# Allegro board T736_DEMO_CORE_AXP8191_LP4_4X_32X1_V0_5-draft.brd (continued)
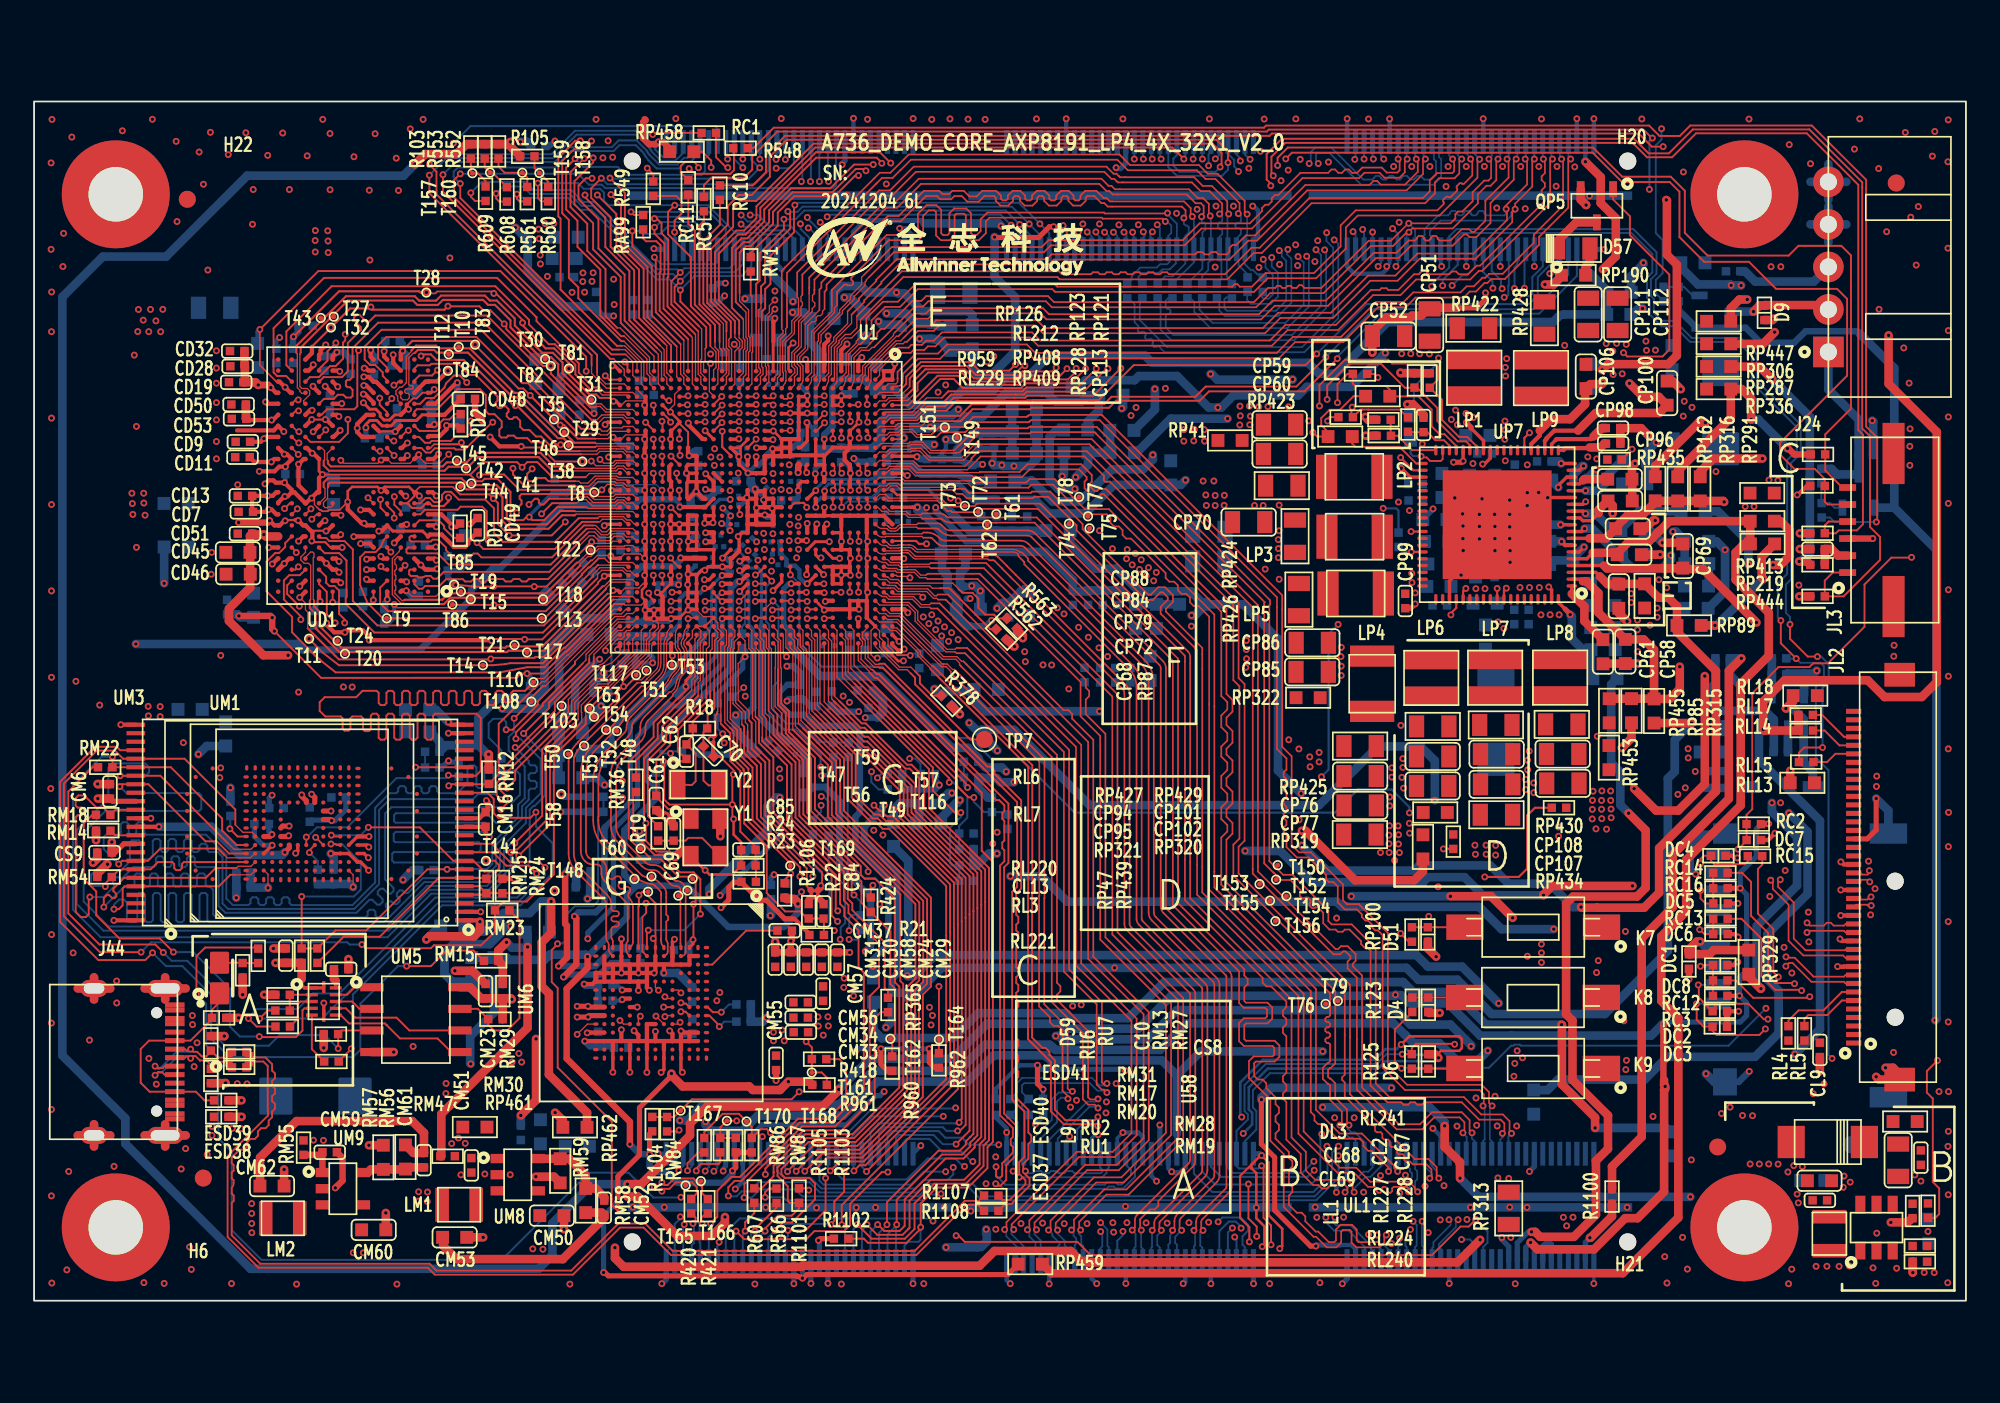
[diagram p0: board, top side]
## Nets (continued)
PMU-PWRON: J48.105(P105) R959.2 RP100.2 RP128.1
PMU-SCK: J48.4(P4) RP121.1 U1.U32(PL0/S-TWI0-SCK/S-TWI1-SCK/S-TWI) UP7.32(SCK)
PMU-SDA: J48.6(P6) RP123.1 U1.U33(PL1/S-TWI0-SDA/S-TWI1-SDA/S-TWI) UP7.33(SDA)
PMU-WKUP: RL229.2 UP7.39(GPIO3)
PS: CM50.1 CM60.1 CP49.2 CP50.2 CP53.1 CP56.1 CP57.2 CP64.2 CP66.2 CP67.2 CP73.2 CP75.2 CP82.2 CP83.2 CP89.2 CP91.2 CP97.2 CP99.2 CP103.2 CP104.2 CP109.2 CP110.2 D58.1 RP190.1 RP410.1 RP412.1 UM8.4(IN) UM9.4(IN) UP7.27(VIN9) UP7.28(VIN1) UP7.44(VIN2#44) UP7.45(VIN2#45) UP7.46(VIN3) UP7.55(VIN5) UP7.56(VIN4#56) UP7.57(VIN4#57) UP7.64(VIN6) UP7.65(VIN7) UP7.70(VIN8) UP7.71(PS#71) UP7.72(PS#72) UP7.75(ALDO1/5/6_IN)
RTC-VIO: C40.1 U1.V26(RTC-VIO)
S-RJTAG-CK: R1106.1 RW85.1 T169.1(TP) U1.Y32(PM1/S-JTAG-CK/S-SPI0-CLK/S-RJTA)
S-RJTAG-DI: R1105.1 RW87.1 T170.1(TP) U1.V30(PM3/S-JTAG-DI/S-SPI0-MISO/S-UAR)
S-RJTAG-DO: R1103.1 RW86.1 T168.1(TP) U1.V31(PM2/S-JTAG-DO/S-SPI0-MOSI/S-UAR)
S-RJTAG-MS: R1104.1 RW84.1 T167.1(TP) U1.Y31(PM0/S-JTAG-MS/S-SPI0-CS0/S-RJTA)
SCA0-A: U1.AH20(SCA5-A) UD1.H2(CA0_A)
SCA0-B: U1.AM15(SCA0-B) UD1.R2(CA0_B)
SCA1-A: U1.AL19(SCA2-A) UD1.J2(CA1_A)
SCA1-B: U1.AF16(SCA1-B) UD1.P2(CA1_B)
SCA2-A: U1.AJ20(SCA4-A) UD1.H9(CA2_A)
SCA2-B: U1.AF14(SCA2-B) UD1.R9(CA2_B)
SCA3-A: U1.AM19(SCA3-A) UD1.H10(CA3_A)
SCA3-B: T34.1(TP) U1.AJ12(SCA3-B) UD1.R10(CA3_B)
SCA4-A: U1.AH18(SCA1-A) UD1.H11(CA4_A)
SCA4-B: U1.AM12(SCA4-B) UD1.R11(CA4_B)
SCA5-A: T33.1(TP) U1.AJ18(SCA0-A) UD1.J11(CA5_A)
SCA5-B: U1.AL12(SCA5-B) UD1.P11(CA5_B)
SCKE0-A: U1.AF18(SCKE0-A) UD1.J4(CKE0_A)
SCKE0-B: U1.AH14(SCKE0-B) UD1.P4(CKE0_B)
SCKE1-A: U1.AM17(SCKE1-A) UD1.J5(CKE1_A)
SCKE1-B: U1.AJ14(SCKE1-B) UD1.P5(CKE1_B)
SCKN-A: T41.1(TP) U1.AL18(SCKN-A) UD1.J9(CK_C_A)
SCKN-B: T42.1(TP) U1.AM13(SCKN-B) UD1.P9(CK_C_B)
SCKP-A: T44.1(TP) U1.AM18(SCKP-A) UD1.J8(CK_T_A)
SCKP-B: T45.1(TP) U1.AL13(SCKP-B) UD1.P8(CK_T_B)
SCS0-A: T36.1(TP) U1.AL17(SCS0-A) UD1.H4(CS0_A)
SCS0-B: T37.1(TP) U1.AM14(SCS0-B) UD1.R4(CS0_B)
SCS1-A: T39.1(TP) U1.AM16(SCS1-A) UD1.H3(CS1_A)
SCS1-B: T40.1(TP) U1.AL14(SCS1-B) UD1.R3(CS1_B)
SDC0-CLK: RC1.2 RC13.1
SDC0-CMD: RC12.1 U1.AB7(PF1/SDC0-CMD/JTAG-DO/TRACE-DATA)
SDC0-D0: RC14.1 U1.AB5(PF3/SDC0-D0/JTAG-DI/TRACE-DATA0)
SDC0-D1: RC15.1 U1.AB8(PF0/SDC0-D1/JTAG-MS/TRACE-DATA3)
SDC0-D2: RC10.1 U1.AA2(PF5/SDC0-D2/JTAG-CK/TRACE-DATA1)
SDC0-D3: RC11.1 U1.AB3(PF4/SDC0-D3/UART0-RX/UART5-RX/P)
SDC0-DET: RC5.1 U1.AA1(PF6/PF-EINT6)
SDQ0: U1.AL25(SDQ0) UD1.F9(DQ12_A)
SDQ1: U1.AM25(SDQ1) UD1.E9(DQ13_A)
SDQ2: U1.AH24(SDQ2) UD1.C9(DQ14_A)
SDQ3: U1.AJ24(SDQ3) UD1.B9(DQ15_A)
SDQ4: U1.AH26(SDQ4) UD1.C11(DQ9_A)
SDQ5: U1.AM28(SDQ5) UD1.F11(DQ11_A)
SDQ6: U1.AF24(SDQ6) UD1.B11(DQ8_A)
SDQ7: T11.1(TP) T14.1(TP) U1.AL28(SDQ7) UD1.E11(DQ10_A)
SDQ8: U1.AM21(SDQ8) UD1.B2(DQ0_A)
SDQ9: U1.AL20(SDQ9) UD1.F2(DQ3_A)
SDQ10: U1.AL21(SDQ10) UD1.C2(DQ1_A)
SDQ11: U1.AM20(SDQ11) UD1.E2(DQ2_A)
SDQ12: U1.AF22(SDQ12) UD1.E4(DQ5_A)
SDQ13: T9.1(TP) T13.1(TP) U1.AM24(SDQ13) UD1.F4(DQ4_A)
SDQ14: U1.AJ22(SDQ14) UD1.C4(DQ6_A)
SDQ15: U1.AL24(SDQ15) UD1.B4(DQ7_A)
SDQ16: U1.AH12(SDQ16) UD1.V2(DQ2_B)
SDQ17: U1.AL11(SDQ17) UD1.AA2(DQ0_B)
SDQ18: U1.AJ10(SDQ18) UD1.V4(DQ5_B)
SDQ19: U1.AM11(SDQ19) UD1.U2(DQ3_B)
SDQ20: U1.AM8(SDQ20) UD1.AA4(DQ7_B)
SDQ21: U1.AL8(SDQ21) UD1.Y4(DQ6_B)
SDQ22: U1.AH10(SDQ22) UD1.Y2(DQ1_B)
SDQ23: T23.1(TP) T25.1(TP) U1.AJ8(SDQ23) UD1.U4(DQ4_B)
SDQ24: U1.AH8(SDQ24) UD1.V11(DQ10_B)
SDQ25: U1.AM7(SDQ25) UD1.V9(DQ13_B)
SDQ26: U1.AL7(SDQ26) UD1.Y9(DQ14_B)
SDQ27: U1.AF10(SDQ27) UD1.AA9(DQ15_B)
SDQ28: U1.AF8(SDQ28) UD1.U9(DQ12_B)
SDQ29: U1.AM4(SDQ29) UD1.AA11(DQ8_B)
SDQ30: T16.1(TP) T26.1(TP) U1.AH6(SDQ30) UD1.U11(DQ11_B)
SDQ31: U1.AL4(SDQ31) UD1.Y11(DQ9_B)
SDQM0: U1.AJ26(SDQM0) UD1.C10(DM1_A)
SDQM1: U1.AH22(SDQM1) UD1.C3(DM0_A)
SDQM2: U1.AF12(SDQM2) UD1.Y3(DM0_B)
SDQM3: U1.AJ6(SDQM3) UD1.Y10(DM1_B)
SDQS0N: T17.1(TP) T20.1(TP) U1.AM26(SDQS0N) UD1.E10(DQS1N_A)
SDQS0P: T21.1(TP) T24.1(TP) U1.AL26(SDQS0P) UD1.D10(DQS1P_A)
SDQS1N: T15.1(TP) T18.1(TP) U1.AM22(SDQS1N) UD1.E3(DQS0N_A)
SDQS1P: T19.1(TP) T22.1(TP) U1.AL22(SDQS1P) UD1.D3(DQS0P_A)
SDQS2N: T10.1(TP) T29.1(TP) U1.AL10(SDQS2N) UD1.V3(DQS0N_B)
SDQS2P: T12.1(TP) T46.1(TP) U1.AM10(SDQS2P) UD1.W3(DQS0P_B)
SDQS3N: T27.1(TP) T30.1(TP) U1.AM6(SDQS3N) UD1.V10(DQS1N_B)
SDQS3P: T31.1(TP) T43.1(TP) U1.AL6(SDQS3P) UD1.W10(DQS1P_B)
SPI0-CLK: RM18.1 U58.4(A3)
SPI0-CS0: RM17.1 RM31.1 U58.2(A1)
SPI0-HOLD: RM23.1 RM30.1 UM5.7(HOLD#)
SPI0-MISO: RM20.1 U58.3(A2)
SPI0-MOSI: RM19.1 U58.5(A4)
SPI0-NAND-CLK: U58.8(B3) UM5.6(CLK)
SPI0-NAND-CS0: U58.10(B1) UM5.1(CS#)
SPI0-NAND-MISO: U58.9(B2) UM5.2(MISO)
SPI0-NAND-MOSI: U58.7(B4) UM5.5(MOSI)
SPI0-WP: RM22.1 RM28.1 UM5.3(WP#)
SRST: U1.AL15(SRST) UD1.T11(RESET-N)
SWOUT1: CP55.1 RP287.1 RP305.1 RP306.1 RP307.1 RP308.1 RP335.1 RP336.1 RP337.1 RP338.1 RP339.1 RP447.1 UP7.34(SW1)
SWOUT2: CP54.1 RP235.1 RP313.1 RP333.1 RP334.1 UP7.30(SW2)
UFS-CLK-AP: T117.1(TP) U1.AJ33(UFS-REFP)
UFS-CLK-DV: RM36.2 T118.1(TP) UM6.H1(REF_CLK)
UFS-REXT: RM3.2 U1.AD30(UFS-REXT)
UFS-RST-N: RM37.1 RM38.1 RM41.2 T120.1(TP) U1.AF29(UFS-RST-N) UM6.H2(RST_N)
UFS-RX0-N: T48.1(TP) U1.AG32(UFS-RX0-N) UM6.K1(DOUT0_N)
UFS-RX0-P: T52.1(TP) U1.AG31(UFS-RX0-P) UM6.K2(DOUT0_P)
UFS-RX1-N: T55.1(TP) U1.AH32(UFS-RX1-N) UM6.M1(DOUT1_N)
UFS-RX1-P: T50.1(TP) U1.AH31(UFS-RX1-P) UM6.M2(DOUT1_P)
UFS-TX0-N: T59.1(TP) U1.AF32(UFS-TX0-N) UM6.F2(DIN0_N)
UFS-TX0-P: T47.1(TP) U1.AF31(UFS-TX0-P) UM6.F1(DIN0_P)
UFS-TX1-N: T116.1(TP) U1.AE32(UFS-TX1-N) UM6.D2(DIN1_N)
UFS-TX1-P: T49.1(TP) U1.AE31(UFS-TX1-P) UM6.D1(DIN1_P)
UFS-VCCQ: CM24.1 CM29.1 CM30.1 CM31.1 CM57.1 CM58.1 RM52.2 UM6.A4(VCCQ_0) UM6.A5(VCCQ_1) UM6.B4(VCCQ_2) UM6.B5(VCCQ_3) UM6.C4(VCCQ_4) UM6.C5(VCCQ_5) UM6.E5(VCCQ_6) UM6.F5(VCCQ_7)
UFS-VCCQ2: CM32.1 CM33.1 CM34.1 CM54.1 CM55.1 CM56.1 RM46.2 RP462.2 UM6.A6(VCCQ2-0) UM6.A7(VCCQ2-1) UM6.B6(VCCQ2-2) UM6.B7(VCCQ2-3) UM6.C6(VCCQ2-4) UM6.C7(VCCQ2-5) UM6.K6(VCCQ2-6) UM6.K7(VCCQ2-7)
USB0-DM: J48.85(P85) R1107.1 U1.D31(USB0-DM)
USB0-DM-C: L9.3 R1107.2 RU2.1
USB0-DP: J48.83(P83) R1108.1 U1.D32(USB0-DP)
USB0-DP-C: L9.4 R1108.2 RU1.1
USB0-ID: R1101.2 RU7.2
USB0-REXT: R20.2 U1.F26(USB0-REXT)
USB0-VBUSDET: J48.13(P13) RP365.2
USB1-DM: J48.89(P89) U1.E33(USB1-DM)
USB1-DP: J48.91(P91) U1.E32(USB1-DP)
USB1-REXT: R378.2 U1.C32(USB1-REXT)
USB2-DM: J48.77(P77) U1.A31(USB2-DM)
USB2-DP: J48.79(P79) U1.B31(USB2-DP)
USB2-REXT: R379.2 U1.B32(USB2-REXT)
USB-UPGRADE-COMBO1-SEL-ADC: R12.2 R13.2 U1.G33(GPADC0-3)
USBVBUS: D60.1 ESD38.2(CATHODE) J44.A4(VBUS1) J44.A9(VBUS2) J44.B4(VBUS3) J44.B9(VBUS4)
VLED0+: CL2.2 CL67.2 DL3.2 RL241.1 UL1.5(VOUT)
VLED0-: RL224.1 RL225.1 RL240.2 RL242.1
VPS0: RM14.1 UM3.38(VSS3)
VPS1: RM15.1 UM3.28(NC13)
VREF: CP105.2 UP7.15(VREF)
WL-REG-ON: J48.11(P11) U1.V32(PM4/S-UART0-TX/S-TWI2-SCK/S-TWI)
WL-SDIO-CLK: J47.62(P62) RW1.2
WL-SDIO-CMD: J47.64(P64) U1.V2(PG1/SDC1-CMD/LCD0-D1/PWM1-2/LPC)
WL-SDIO-D0: J47.66(P66) U1.W1(PG2/SDC1-D0/LCD0-D8/PWM1-3/LPC-)
WL-SDIO-D1: J47.68(P68) U1.W3(PG3/SDC1-D1/LCD0-D9/PWM1-4/LPC-)
WL-SDIO-D2: J47.70(P70) U1.V6(PG4/SDC1-D2/LCD0-D16/PWM1-5/LPC)
WL-SDIO-D3: J47.72(P72) U1.V7(PG5/SDC1-D3/LCD0-D17/PWM1-6/LPC)
WL-WAKE-AP: J48.9(P9) RW87.2
WREQIN: J48.152(P152) R15.2 R17.2 U1.AB29(WREQIN)
X32KIN: C62.1 R18.1 U1.AB32(X32KIN) Y2.1
X32KOUT: C70.1 R18.2 U1.AB31(X32KOUT) Y2.2
N17467629: D4.2(CATHODE) K8.2 R123.2
N17471203: D6.2(CATHODE) K9.2 R125.2
N17526892: J24.3 R143.2
N17526894: D8.2(CATHODE) J24.1 Q6.3(D) R141.2 R142.1
N17526923: Q7.2(S) R144.2 R145.1
N17526934: D9.2(CATHODE) J24.2 Q7.3(D)
N17534062: Q6.2(S) R140.1 R141.1
N19247332: RD3.1 UD1.A5(ZQ0)
N19247333: RD4.1 UD1.A8(ZQ1)
N19247415: RD2.1 UD1.T2(ODT_CA_B)
N19247416: RD1.1 UD1.G2(ODT_CA_A)
N19259635: RM9.2 UM1.T5(RFU/VSS4)
N19259639: RM10.2 UM1.H6(RFU/VSS5)
N19391444: CL10.1 QL1.1(G) RL8.2 RL10.2
N19391480: CL11.2 CL12.2 DL1.1 QL1.3(D) RL9.1
N19391490: QL2.1(B) RL11.2 RL12.2
N19391591: QL2.3(C) RL10.1
N19391645: JL2.37(CABC_EN) RL17.1
N19391674: JL2.38(VLED0) JL2.39(VLED1) JL2.40(VLED2) RL18.2 RL241.2
N19391676: JL2.31(VFB1) JL2.32(VFB2) JL2.33(VFB3) RL13.2 RL242.2
N19391686: JL2.7(DATAEDID) RL4.2
N19391690: JL2.6(CLKEDID) RL5.2
N19391701: JL2.35(LED_PWM) RL15.1
N19391883: JL2.36(LED_EN) RL14.2
N20427024: RD5.1 U1.AH16(SZQ)
N20734199: T7.1(TP) U1.AJ16(SATO)
N20734202: T8.1(TP) U1.AL16(SDTO)
N21635434: CM37.1 UM6.A3(VDDIQ)
N21635440: CM39.1 UM6.A8(VDDIQ2)
N21636269: CM52.2 CM53.1 LM1.2 RM46.1 RM52.1 RM53.1 RM58.2
N21636295: CM52.1 RM58.1 RM59.2 UM8.5(FB)
N21636444: LM1.1 UM8.3(LX)
N21636500: CM51.2 RM47.2 UM8.1(EN)
N21637919: CM35.1 UM6.A9(VDDI)
N22736460: CP113.2 RP128.2 UP7.36(PWRON)
N22835073: CPU-PLL-TEST.1(TP) R71.1 U1.Y29(CPU-PLLTEST)
N22835075: PLL-TEST.1(TP) R70.1 U1.AB28(PLLTEST)
N22838900: C69.1 R19.2 Y1.3(XOUT)
N22841119: C3.2 R72.2 U1.H27(VREFP-ADC)
N22841132: C4.2 U1.K26(VCM-ADC)
N22841156: R1109.2 U1.K14(VCC-DCXO2) U1.M27(VCC-DCXO1)
N22844009: TP7.1(TP) U1.C33(USB1-ID)
N22846930: R562.2 U1.C25(COMB0-REF-CLKN)
N22846932: R563.2 U1.B25(COMB0-REF-CLKP)
N22847489: R430.2 U1.J16(AVDD-HPD-AUX)
N22856651: RM1.1 U1.AM30(PC5/NAND-RE/SDC2-CLK/SDC3-CLK/P)
N22863020: RC1.1 U1.AB6(PF2/SDC0-CLK/UART0-TX/TRACE-CLK)
N22863385: RW83.1 U1.Y4(PG11/I2S1-BCLK/TWI12-SCK/TWI9-S)
N22863401: RW1.1 U1.V3(PG0/SDC1-CLK/LCD0-D0/PWM1-1/LPC)
N22874737: R607.1 U1.R33(PL8/S-TWI1-SCK/S-UART1-TX/S-TWI)
N22874740: R566.1 U1.R32(PL9/S-TWI1-SDA/S-UART1-RX/S-TWI)
N22874917: RP391.1 U1.P30(PL12/S-UART1-TX/S-TWI1-SCK/S-TW)
N22875204: RP388.1 U1.P29(PL13/S-UART1-RX/S-TWI1-SDA/S-TW)
N23161063: DC5.2(CATHODE) JC1.7(DAT0) RC14.2 RC16.1
N23161069: DC4.2(CATHODE) JC1.8(DAT1) RC15.2
N23161083: DC3.2(CATHODE) JC1.1(DAT2) RC10.2
N23161095: DC2.2(CATHODE) JC1.2(DAT3) RC11.2
N23161107: DC8.2(CATHODE) JC1.3(CMD) RC3.1 RC12.2
N23161119: DC6.2(CATHODE) JC1.5(CLK) RC13.2
N23161229: DC7.2(CATHODE) JC1.9(CD#) RC2.1 RC5.2
N23273535: D51.2(CATHODE) K7.2 RP100.1
N23277389: D57.2(CATHODE) QP5.3(DRAIN)
N23277413: D57.1(ANODE) RP190.2
N23277426: QP5.1(GATE) RP191.2
N23290165: CM61.1 RM56.1 RM57.2 UM9.5(FB)
N23290202: LM2.1 UM9.3(LX)
N23290214: CM59.2 RM55.2 UM9.1(EN)
N23335219: D59.1 RU6.1 RU7.1
N23453672: J48.178(P178) R1100.1
N23494472: DL3.1 LL1.2 UL1.1(LX)
N23494527: RL224.2 UL1.3(FB)
N23494551: CL68.2 CL69.2 LL1.1 RL226.2 UL1.6(VIN)
N23494639: RL227.2 RL228.2 UL1.4(EN)
N227593604: RA99.2 U1.AE1(PB4/PWM0-0/I2S0-MCLK/SPI2-CS1/H)
N2163692154: T131.1(TP) UM6.P10(VSF8)
N2163692155: T132.1(TP) UM6.K10(VSF7)
N2163692156: T133.1(TP) UM6.J10(VSF6)
N2163692157: T134.1(TP) UM6.G5(VSF5)
N2163692158: T135.1(TP) UM6.F10(VSF4)
N2163692159: T136.1(TP) UM6.E10(VSF3)
N2163692160: T137.1(TP) UM6.E9(VSF2)
N2163692161: T138.1(TP) UM6.E7(VSF1)
N2163692162: T139.1(TP) UM6.E6(VSF0)

Pads without a net: J44 A8 B8; J47 94 96 98 100 102 104 108 110 112 114 116 117 118 119 120 123 124 125 126 127 128 129 130 131 132 133 134 137; J48 42 111 145 147 148 150 156 158 161 163 166; JL2 1 5 23 24 26 27 28 29 30 34; NOREF 1; NOREF#2 1; NOREF#3 1; NOREF#4 1; NOREF#9 1; NOREF#10 1; NOREF#11 1; NOREF#12 1; U1 AL5 AL9 AL23 AL27 AM5 AM9 AM23 AM27 V28; UD1 A1 A2 A11 A12 AA1 AA12 AB1 AB2 AB11 AB12 B1 B12 G11 K5 K8 N5 N8; UM1 A4 A6 A9 A11 AA1 AA2 AA7 AA8 AA9 AA10 AA11 AA12 AA13 AA14 AE1 AE14 AG2 AG13 AH4 AH6 AH9 AH11 B2 B13 D1 D14 H1 H2 H7 H8 H9 H10 H11 H12 H13 H14 J1 J7 J8 J9 J10 J11 J12 J13 J14 K1 K3 K5 K7 K8 K9 K10 K11 K12 K13 K14 L1 L2 L3 L4 L12 L13 L14 M1 M2 M3 M5 M8 M9 M10 M12 M13 M14 N1 N2 N3 N10 N12 N13 N14 P1 P2 P3 P10 P12 P13 P14 R1 R2 R3 R12 R13 R14 T1 T2 T3 T12 T13 T14 U1 U2 U3 U6 U7 U10 U12 U13 U14 V1 V2 V3 V12 V13 V14 W1 W2 W3 W7 W8 W9 W10 W11 W12 W13 W14 Y1 Y3 Y6 Y7 Y8 Y9 Y10 Y11 Y12 Y13 Y14; UM3 3 11 14 15 20 21 22 26 27 33 40 45 46 47; UM6 A1 A2 A10 A11 A12 A13 A14 B1 B3 B10 B13 B14 C10 C13 C14 D4 E13 E14 G13 G14 J13 J14 K9 L13 L14 M6 M7 M8 M9 M10 M11 N1 N6 N7 N10 N13 N14 P1 P2 P3 P6 P7 P13 P14; UP7 23

## Via types
v1: diameter 0.406, hole 0.203, TOP to BOTTOM, 2139 vias

## Routing (per net, layer and track width the routed paths; a pad name or vN(x,y) marks a point on that pad's centre or on a via; arc(x,y) is an arc through that point)
AGND: length 1
  TOP w0.254: U1.H28 46.52,41.15 v1(46.48,41.11) ; U1.K27 46.4,41.65 v1(46.42,41.62)
  vias: v1(47.54,35.55) v1(47.91,35.18)
AVCC: length 116.3
  TOP w0.203: U1.M26 44.49,42.15 v1(44.48,42.15)
  TOP w0.305: v1(46.08,3.55) 46.19,3.65 R1102.2
  L4 w0.508: v1(53.58,3.14) 46.49,3.14 v1(46.08,3.55) ; v1(55.94,4.19) 55.94,4.49 58.82,7.37 58.82,9.29 58.24,9.87 58.24,26.97 57.73,27.48 56.82,27.48 56.76,27.54 v1(56.58,27.54) 56.59,27.55 56.59,30.58 v1(57.11,31.1) ; v1(76.53,22.5) 73.92,25.1 73.92,25.57 69.91,29.58 69.91,43.76 63.58,50.08 61.87,50.08 60.61,51.34 55.35,51.34 v1(54.3,52.4)
  BOTTOM w0.305: v1(44.48,42.15) 44.34,42.15 44.04,41.85 44.04,39.91 44.05,39.91 44.05,39.73 44.48,39.29 ; J48.38 46.14,3.49 v1(46.08,3.55)
  BOTTOM w0.457: 49.27,50.12 48.73,50.13 47.45,50.13 C5.1 47.34,50.08 R1109.1
  BOTTOM w0.508: v1(53.58,3.14) 55.43,3.14 55.46,3.17 55.65,3.17 55.98,3.49 55.98,3.96 55.94,3.99 v1(55.94,4.19) ; v1(54.3,52.4) 53.95,52.05 50.16,52.05 49.75,51.65 49.75,50.61 49.27,50.12 ; 44.48,39.29 44.48,38.42 46.18,36.73 C1.2 48.4,36.71 R72.1 49.71,36.71 53.91,32.5 54.87,32.5 55.48,31.9 R5.1 55.57,31.69 55.89,31.36 56.01,31.36 56.03,31.35 56.87,31.35 v1(57.11,31.1)
  vias: v1(94.94,39.71) v1(95.36,40.72) v1(95.36,40.18)
AVDD-H-COMB0: length 24.6
  TOP w0.254: v1(46.57,45.66) 46.42,45.51 U1.J20
  L3 w0.305: v1(46.57,45.66) 47.05,45.66 52.11,45.66 52.97,46.51 v1(52.97,46.63)
  BOTTOM w0.381: 55.86,44.46 55.66,44.65 54.76,44.65 52.99,46.42 52.99,46.61 v1(52.97,46.63)
  BOTTOM w0.508: RP69.2 C235.2 65.94,40.94 C239.2 63.91,41.76 C232.1 C237.1 C238.1 61.87,41.7 61.09,41.7 C233.1 61.03,42.36 59.37,44.03 56.29,44.03 55.86,44.46
VCC18-HDMI: length 15.6
  TOP w0.254: U1.K16 45.92,46.65 v1(45.93,46.65)
  BOTTOM w0.203: 53.55,46.69 52.52,47.71 49.75,47.71 49.25,47.22 46.6,47.22 46.6,47.22 46.24,47.22 45.93,46.9 v1(45.93,46.65)
  BOTTOM w0.508: RP451.2 59.43,45.26 C7.1 58.34,45.26 C8.1 C251.1 56.54,45.27 C6.1 54.97,45.27 53.55,46.69
VCC18-PF: length 52.3
  TOP w0.203: U1.Y9 41.39,50.65 v1(41.41,50.67)
  L3 w0.203: v1(41.41,50.67) 41.44,50.67 41.8,51.04 41.8,54.77 41.69,54.88
  L3 w0.508: v1(70.12,51.86) 70.17,51.91 70.17,54.66 67.37,57.47 58.08,57.47 57.41,58.14 55.12,58.14 52.65,60.61 42.45,60.61 40.92,59.08 v1(40.57,59.08) 40.57,56.12 40.58,56.11 40.58,55.99 41.69,54.88
  BOTTOM w0.305: v1(40.57,59.08) 40.16,58.67 C256.1
  BOTTOM w0.508: RP452.2 64.77,49.85 66.78,51.86 v1(70.12,51.86)
VCC33-18-USB: length 59.9
  TOP w0.178: v1(47.33,43.64) 46.93,43.64 U1.J22
  L3 w0.508: v1(91.84,33.18) 91.53,33.49 86.77,33.49 82.7,29.42 v1(82.29,29.42)
  L4 w0.178: v1(47.33,43.64) 47.33,43.64 47.69,43.28 49.5,43.28 50.81,41.97 50.81,40.36 50.87,40.3 50.87,40.25 51.12,39.99
  L4 w0.381: v1(54.94,33.97) 54.94,34 54.9,34.03 54.9,36.11 51.12,39.89 51.12,39.99
  BOTTOM w0.508: v1(54.94,33.97) 55.47,33.44 C243.1 55.65,33.56 57.58,33.56 62.01,29.13 75.5,29.13 78.95,32.58 81.46,32.58 82.29,31.75 v1(82.29,29.42)
VCC33-18-USB-2: length 15.6
  TOP w0.178: v1(46.72,44.62) 45.9,44.62 U1.L22
  L4 w0.178: v1(46.72,44.62) 46.9,44.62 47.22,44.94 47.28,45 47.8,45 47.81,45.01 49.24,45.01 50.06,44.18 50.35,44.18
  L4 w0.406: 55.07,40.65 54.78,40.65 51.25,44.18 50.35,44.18
  L4 w0.508: 55.07,40.65 56.08,40.65 56.11,40.69 56.55,40.69 v1(56.57,40.71)
  BOTTOM w0.508: v1(56.57,40.71) 56.88,41.02 C242.1 57.97,41.7 RP454.2
VCC33-USB: length 107
  TOP w0.203: U1.K24 v1(46.39,42.69)
  TOP w0.508: RP315.2 v1(97.38,33.96)
  L4 w0.178: v1(46.39,42.69) 46.42,42.69 47.08,42.02 48.08,42.02 48.08,42.02 48.59,42.02 48.6,42.02 49.13,42.02 49.34,41.8 49.34,41.24 49.24,41.14
  L4 w0.381: v1(49.94,29.14) 49.95,29.15 49.95,29.16 50.23,29.44 50.23,36.04 49.07,37.2 49.07,39.7 49.24,39.87 49.24,41.14
  L4 w0.508: v1(63.48,19.57) 63.48,15.87 66.14,13.21 v1(66.14,10.33)
  BOTTOM w0.305: J48.97 v1(66.14,10.33)
  BOTTOM w0.406: v1(49.94,29.14) 49.94,29.12 49.85,29.04 49.85,28.92 48.77,27.84 48.77,27.1 50.7,25.17 50.7,19.21 50.39,18.9 C241.1
  BOTTOM w0.508: C241.1 51.33,18.1 RP38.2 51.7,17.95 53.32,19.57 v1(63.48,19.57) 80.62,19.57 81.32,18.87 83.62,18.87 85.63,16.86 92.28,16.86 95.98,20.56 95.98,30.7 96.39,31.11 96.39,32.97 v1(97.38,33.96)
VCC33-USB-2: length 55
  TOP w0.178: v1(46.23,43.67) 46.1,43.67 45.92,43.85 U1.K22
  L4 w0.178: 50.31,41.21 50.31,42.03 49.31,43.03 47.29,43.03 46.64,43.67 v1(46.23,43.67)
  L4 w0.381: v1(52.89,35.96) 52.89,37.38 50.31,39.96 50.31,41.21
  L4 w0.508: v1(62.59,34.65) 63.08,34.16 63.08,20.96 66.89,17.15 66.89,8.68 65.95,7.74 v1(65.95,7.03)
  BOTTOM w0.254: v1(65.95,7.03) 65.64,7.33 J48.95
  BOTTOM w0.508: v1(52.89,35.96) 52.9,35.95 52.94,35.95 53.3,35.59 C240.1 53.57,35.84 55.14,35.84 RP66.2 55.27,35.3 55.92,34.65 v1(62.59,34.65)
VCC-1V8-AUDIO: length 74.9
  TOP w0.508: v1(101.54,49.51) 98.65,49.51 97.89,48.75 RP291.2
  L3 w0.508: v1(56.82,63.18) 56.82,63.04 56.84,63.01 56.84,63 57.17,62.67 57.19,62.67 57.28,62.58 59.97,62.58 60.29,62.26 62.66,62.26 62.66,62.26 63.18,62.26 63.18,62.26 64.31,62.26 64.77,62.26 64.78,62.26 66.79,62.26 67.5,62.96 71.87,62.96 74.2,65.29 75.72,65.29 76.79,66.37 76.79,67.31 77.48,68 91.19,68 91.76,67.44 91.76,65.79 100.06,57.49 100.06,57.48 101.54,55.99 v1(101.54,49.51)
  BOTTOM w0.305: J47.135 48.14,62.82 48.82,63.5 52.15,63.5 52.31,63.34
  BOTTOM w0.508: 52.31,63.34 56.66,63.34 v1(56.82,63.18)
VCC-3V3:
  vias: v1(99.14,11) v1(99.64,11.38) v1(102.05,60.79) v1(102.62,60.79) v1(104.53,12.17) v1(105.16,12.74)
VCC-3V3-PCIE: length 1.6
  BOTTOM w0.305: J48.160 86.64,3.19 86.24,3.59 v1(86.24,3.72)
  vias: v1(86.76,3.72)
VCC-3V3-PHY: length 8.4
  L3 w0.381: v1(47.61,58.98) 47.6,58.97 44.82,58.97 v1(44.59,58.74)
  BOTTOM w0.305: J47.155 43.14,60.54
  BOTTOM w0.508: v1(44.59,58.74) 44.59,59.09 43.14,60.54 ; RP307.2 48.75,58.17 47.95,58.97 47.62,58.97 47.61,58.98 v1(47.61,58.98)
VCC-5V: length 2.5
  BOTTOM w0.305: J48.168 88.64,3.21 88.9,3.48 88.98,3.48 89.14,3.32 J48.170
VCC-CARD: length 6
  TOP w0.508: RP329.2 98.67,20.61 98.44,20.38 97.36,20.38 DC1.2 97.19,20.61 97.7,21.12 v1(97.88,21.12)
  BOTTOM w0.508: JC1.4 98.24,20.76 v1(97.88,21.12)
VCC-CPU-PLL: length 26.7
  TOP w0.254: U1.V24 41.83,43.15 41.61,42.92 v1(41.45,42.92)
  L3 w0.508: v1(33.31,34.96) 33.6,34.67 40.98,34.67 v1(41.23,34.42)
  BOTTOM w0.178: 42.26,39.22 42.26,39.49 42,39.75 42,41.47 41.98,41.48 41.98,42.31 41.45,42.85 v1(41.45,42.92)
  BOTTOM w0.381: 42.26,39.22 42.26,34.87 41.81,34.42 ; C38.1 42.31,32.11 39.1,32.11 R71.2
  BOTTOM w0.508: v1(33.31,34.96) 33.31,34.94 32.22,33.86 RP446.2 ; C38.1 41.23,33.5 v1(41.23,34.42) 41.81,34.42
VCC-CTP: length 15.4
  TOP w0.508: RP287.2 101.37,54.92 v1(102.12,54.17) ; v1(103.7,43.46) 104.16,43.46 RL3.2
  BOTTOM w0.508: v1(102.12,54.17) 104.32,51.96 104.32,48.42 104.33,48.41 104.33,43.97 103.82,43.46 v1(103.7,43.46)
VCC-CTP0: length 2.4
  TOP w0.508: RL3.1 CL13.1 105.6,44.19 105.98,43.81 JL3.2
VCC-DCXO: length 23.3
  TOP w0.254: U1.Y26 40.44,42.15 v1(40.42,42.13)
  L3 w0.508: v1(35.57,27.6) 35.07,27.6 33.52,29.15 v1(33.52,30.32)
  L4 w0.178: 39.5,37.88 39.81,38.19 39.81,41.04 40.05,41.28 40.05,41.78 40.4,42.13 v1(40.42,42.13)
  L4 w0.381: 39.5,37.88 39.5,35.75 35.45,31.7 35.45,27.71 v1(35.57,27.6)
  BOTTOM w0.508: RP91.2 33.1,30.74 v1(33.52,30.32) ; v1(35.57,27.6) 35.6,27.57 C39.1
VCC-DRAM: length 47.2
  TOP w0.203: U1.AB15 39.5,47.65 v1(39.45,47.7) ; U1.AB14 39.46,48.61 v1(39.46,48.61)
  TOP w0.254: v1(16.81,41.12) 16.74,41.18 UD1.A9 ; U1.AB14 U1.AB15 ; UD1.N1 23.47,49.48 v1(23.76,49.77) ; UD1.N10 15.84,49.48 v1(15.54,49.18) 15.54,47.93 UD1.K10 ; CD11.1 12.95,49.31 v1(13.94,49.31) 14.11,49.48 UD1.N12 ; UD1.AB9 16.74,55.61 16.83,55.7 16.83,55.89 v1(17.14,56.19) ; v1(17.98,51.17) 17.6,50.78 UD1.R8 ; RD1.2 24.83,45.5 v1(24.54,45.5) 24.54,45.61 23.93,46.23 UD1.H1 ; UD1.H12 14.24,46.23 13.96,46.51 v1(13.78,46.51) 13.64,46.38 CD7.1 12.81,46.43 CD13.1 v1(13.72,47.32) 14.02,47.32 14.23,47.53 UD1.K12 ; UD1.R1 23.2,50.83 23.83,50.83 24.23,51.23 v1(24.23,51.46) 24.88,51.46 RD2.2 ; UD1.U8 17.81,52.08 v1(17.91,51.99) ; v1(18.03,46.18) 17.98,46.23 UD1.H8 ; UD1.AB4 20.57,55.51 v1(20.57,55.81) ; UD1.F8 17.91,44.93 v1(18.01,45.04) ; v1(21.93,49.69) 21.73,49.48 UD1.N3 ; v1(23.63,47.31) 23.41,47.53 UD1.K1 ; UD1.R5 19.27,50.78 18.98,51.07 18.98,51.25 18.99,51.26 18.99,51.3 v1(18.99,51.3) 18.99,51.34 18.98,51.34 18.98,51.54 19.53,52.08 UD1.U5 ; CD9.1 13.32,50.5 v1(13.51,50.68) 13.6,50.78 UD1.R12 ; v1(21.84,47.3) 21.77,47.3 UD1.K3 ; UD1.H5 19.68,46.49 v1(19.19,46.49) ; v1(20.75,41.23) 20.75,41.67 UD1.A4 ; UD1.F5 18.8,44.93 v1(18.78,44.92)
  L4 w0.254: v1(17.91,51.99) 18.24,52.31 18.26,52.31 18.63,52.69 18.63,55.26 ; 18.63,55.26 17.45,55.26 17.14,55.57 v1(17.14,56.19) ; 18.63,55.26 20.01,55.26 v1(20.57,55.81) ; v1(20.75,41.23) 20.28,41.7 17.39,41.7 v1(16.81,41.12) 16.63,41.29 16.63,43.66 v1(18.01,45.04)
  BOTTOM w0.254: CD4.1 16.45,40.76 v1(16.81,41.12) ; CD14.1 20.64,55.89 v1(20.57,55.81) ; v1(20.75,41.23) 20.58,41.05 CD10.1
VCC-DRAML: length 2.4
  TOP w0.203: U1.AB18 U1.AC18 39.42,45.73 v1(39.4,45.7) ; U1.AB18 39.92,45.77 v1(39.89,45.74) ; U1.AB18 U1.AB17
  TOP w0.254: v1(39.4,45.7) 39.86,45.7 v1(39.89,45.74)
VCC-EFUSE: length 209
  TOP w0.178: U1.AB9 39.92,50.65 v1(39.43,51.14)
  TOP w0.508: v1(34.85,6.13) 35.47,6.13 37.79,3.81 39.82,3.81 40.59,4.58 v1(40.59,4.92)
  L3 w0.508: v1(8.77,32.81) 8.77,28.28 22.11,14.95 v1(22.27,14.95) ; v1(87.73,20.25) 87.73,20.17 83.22,15.66 81.42,15.66 80.89,16.19 52.72,16.19 v1(52.7,16.21)
  L4 w0.152: 37.67,54.01 37.67,52.5 37.78,52.38 37.78,51.68 38.32,51.14 v1(39.43,51.14)
  L4 w0.178: 37.23,54.45 37.67,54.01
  L4 w0.203: 37.23,54.45 34.05,57.63 v1(34.05,57.9)
  L4 w0.508: v1(100.72,43.27) 100.72,42.56 95.96,37.8 95.96,31.25 95.19,30.47 95.19,28.47 91.69,24.97 91.69,23.07 91.18,22.56 88.47,22.56 87.73,21.81 v1(87.73,20.25) ; v1(34.85,6.13) 34.79,6.13 30.96,9.96 28.05,9.96 23.06,14.95 v1(22.27,14.95) ; v1(40.59,4.92) 40.66,4.85 46.23,4.85 47.47,6.09 50.43,6.09 51.52,7.18 51.52,11.77 51.97,12.22 51.97,15.48 v1(52.7,16.21) ; v1(28.28,63.08) 27.08,64.28 15.89,64.28 8.33,56.72 8.33,43.96 6.62,42.25 6.62,38.92 8.78,36.76 8.78,32.82 v1(8.77,32.81)
  BOTTOM w0.381: v1(34.05,57.9) 33.4,57.9 33.02,58.28 C49.1
  BOTTOM w0.508: v1(28.28,63.08) 29.01,62.36 29.01,60.47 31.02,58.46 C49.1 ; RP312.2 98.93,46.41 100.72,44.61 v1(100.72,43.27)
VCC-FLASH: length 1.1
  TOP w0.203: 17.72,18.82 U58.11
  TOP w0.508: 17.72,18.82 17.62,18.92 CS8.1
VCC-IO: length 361.6
  TOP w0.203: U1.Y8 40.94,51.14 41.39,51.14 41.41,51.16 v1(41.41,51.18)
  TOP w0.254: RC3.2 v1(100.2,17.93)
  TOP w0.305: v1(101.91,28.04) 101.81,28.04 101.78,28.02 RC2.2 ; v1(100.24,24.25) RC16.2
  TOP w0.381: v1(95.72,16.24) 95.72,13 95.77,12.96